# EAGLE board working (EAGLE 9.5.2), part 1 of 4 (continued)
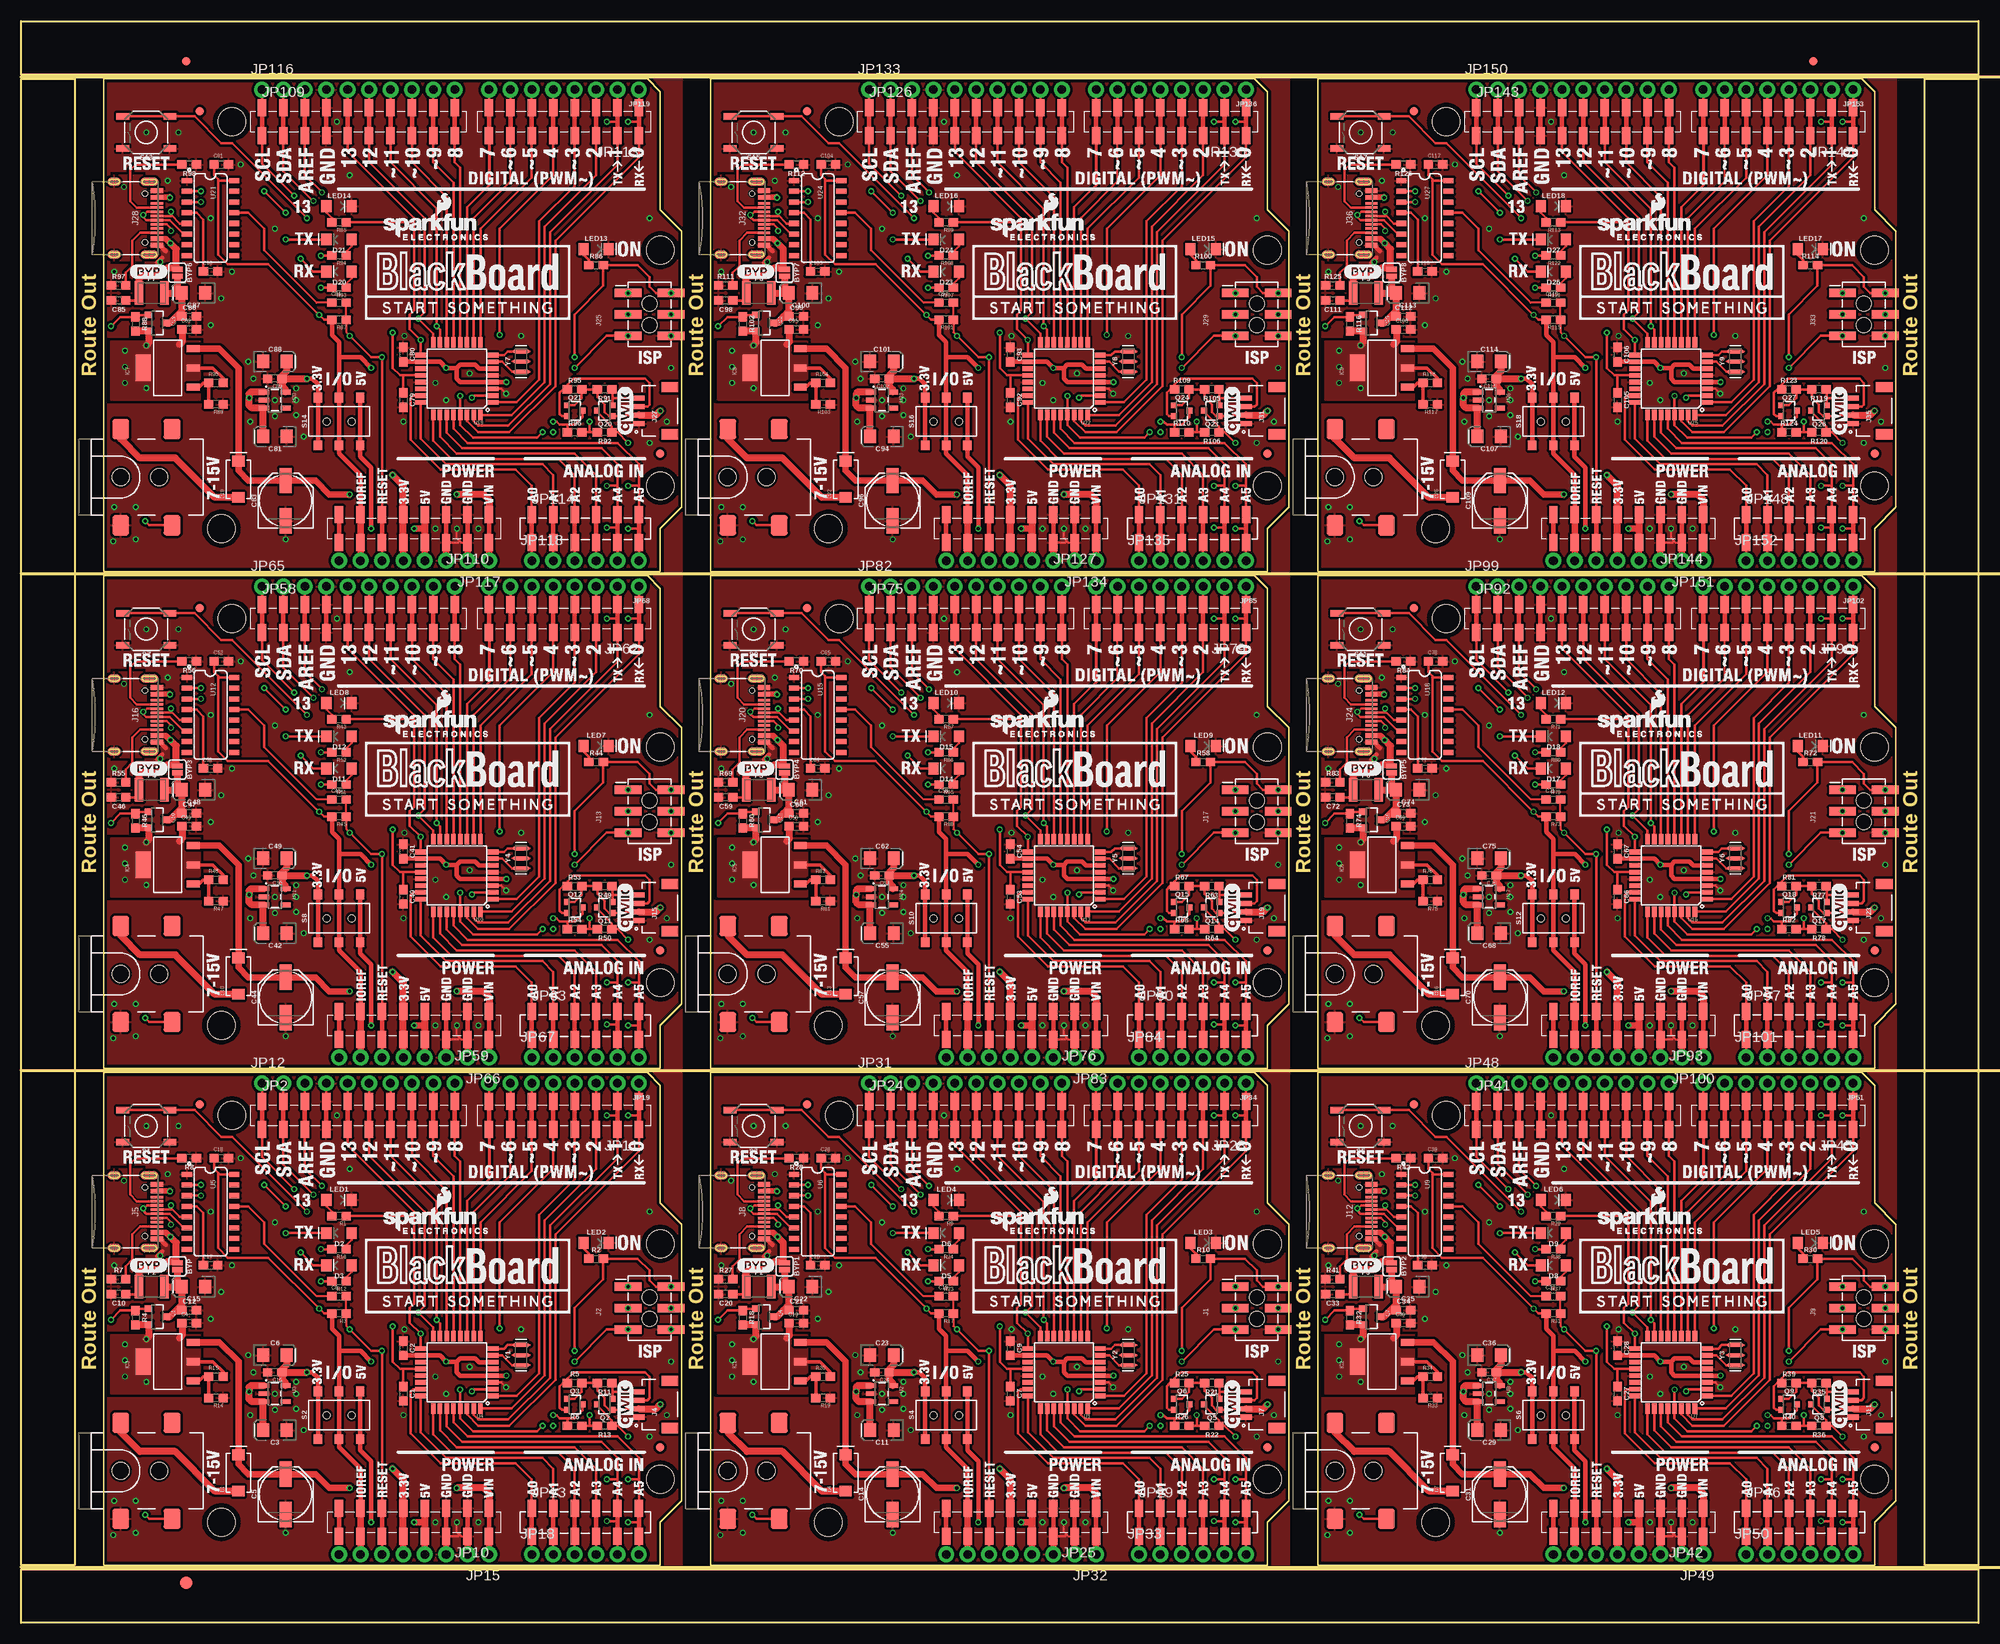
[diagram p0: board, top side]
## Placement (x,y rotation side) (continued)
JP31  M10NO_SILK  [1X10_NO_SILK]  100.58,64.01 0 top
JP32  [1X08_NO_SILK@1]  127.51,8.13 180 top
JP33  [1X06_NO_SILK@1]  132.59,8.13 0 top
JP34  [1X08_NO_SILK]  145.29,64.01 180 top
JP35  STAND-OFF  [STAND-OFF]  167.77,11.94 0 top
JP36  STAND-OFF  [STAND-OFF]  219.84,17.02 0 top
JP37  STAND-OFF  [STAND-OFF]  219.84,44.96 0 top
JP38  STAND-OFF  [STAND-OFF]  169.04,60.2 0 top
JP39  FIDUCIAL1X2  [FIDUCIAL-1X2]  219.84,20.83 0 top
JP40  FIDUCIAL1X2  [FIDUCIAL-1X2]  165.23,61.47 0 top
JP41  M10SMD_COMBO  [1X10_SMD_COMBINED]  172.59,60.2 0 top
JP42  [1X08_SMD_COMBINED@1]  199.52,11.94 180 top
JP43  SFE_LOGO_NAME.1_INCH  [SFE_LOGO_NAME_.1]  192.53,47.88 0 top
JP44  SFE_LOGO_FLAME.1_INCH  [SFE_LOGO_FLAME_.1]  194.18,50.42 0 top
JP45  JP11  [1X08_SMD_COMBINED@1]  217.3,60.2 180 top
JP46  [1X06_SMD_STRAIGHT_COMBO]  204.6,11.94 0 top
JP47  USB_SOLDER_PADS  [USB-SOLDER-PADS]  155.7,48.77 0 bottom
JP48  M10NO_SILK  [1X10_NO_SILK]  172.59,64.01 0 top
JP49  [1X08_NO_SILK@1]  199.52,8.13 180 top
JP50  [1X06_NO_SILK@1]  204.6,8.13 0 top
JP51  [1X08_NO_SILK]  217.3,64.01 180 top
JP52  STAND-OFF  [STAND-OFF]  23.75,70.87 0 top
JP53  STAND-OFF  [STAND-OFF]  75.82,75.95 0 top
JP54  STAND-OFF  [STAND-OFF]  75.82,103.89 0 top
JP55  STAND-OFF  [STAND-OFF]  25.02,119.13 0 top
JP56  FIDUCIAL1X2  [FIDUCIAL-1X2]  75.82,79.76 0 top
JP57  FIDUCIAL1X2  [FIDUCIAL-1X2]  21.21,120.4 0 top
JP58  M10SMD_COMBO  [1X10_SMD_COMBINED]  28.57,119.13 0 top
JP59  [1X08_SMD_COMBINED@1]  55.5,70.87 180 top
JP60  SFE_LOGO_NAME.1_INCH  [SFE_LOGO_NAME_.1]  48.51,106.81 0 top
JP61  SFE_LOGO_FLAME.1_INCH  [SFE_LOGO_FLAME_.1]  50.17,109.35 0 top
JP62  JP11  [1X08_SMD_COMBINED@1]  73.28,119.13 180 top
JP63  [1X06_SMD_STRAIGHT_COMBO]  60.58,70.87 0 top
JP64  USB_SOLDER_PADS  [USB-SOLDER-PADS]  11.68,107.7 0 bottom
JP65  M10NO_SILK  [1X10_NO_SILK]  28.57,122.94 0 top
JP66  [1X08_NO_SILK@1]  55.5,67.06 180 top
JP67  [1X06_NO_SILK@1]  60.58,67.06 0 top
JP68  [1X08_NO_SILK]  73.28,122.94 180 top
JP69  STAND-OFF  [STAND-OFF]  95.76,70.87 0 top
JP70  STAND-OFF  [STAND-OFF]  147.83,75.95 0 top
JP71  STAND-OFF  [STAND-OFF]  147.83,103.89 0 top
JP72  STAND-OFF  [STAND-OFF]  97.03,119.13 0 top
JP73  FIDUCIAL1X2  [FIDUCIAL-1X2]  147.83,79.76 0 top
JP74  FIDUCIAL1X2  [FIDUCIAL-1X2]  93.22,120.4 0 top
JP75  M10SMD_COMBO  [1X10_SMD_COMBINED]  100.58,119.13 0 top
JP76  [1X08_SMD_COMBINED@1]  127.51,70.87 180 top
JP77  SFE_LOGO_NAME.1_INCH  [SFE_LOGO_NAME_.1]  120.52,106.81 0 top
JP78  SFE_LOGO_FLAME.1_INCH  [SFE_LOGO_FLAME_.1]  122.17,109.35 0 top
JP79  JP11  [1X08_SMD_COMBINED@1]  145.29,119.13 180 top
JP80  [1X06_SMD_STRAIGHT_COMBO]  132.59,70.87 0 top
JP81  USB_SOLDER_PADS  [USB-SOLDER-PADS]  83.69,107.7 0 bottom
JP82  M10NO_SILK  [1X10_NO_SILK]  100.58,122.94 0 top
JP83  [1X08_NO_SILK@1]  127.51,67.06 180 top
JP84  [1X06_NO_SILK@1]  132.59,67.06 0 top
JP85  [1X08_NO_SILK]  145.29,122.94 180 top
JP86  STAND-OFF  [STAND-OFF]  167.77,70.87 0 top
JP87  STAND-OFF  [STAND-OFF]  219.84,75.95 0 top
JP88  STAND-OFF  [STAND-OFF]  219.84,103.89 0 top
JP89  STAND-OFF  [STAND-OFF]  169.04,119.13 0 top
JP90  FIDUCIAL1X2  [FIDUCIAL-1X2]  219.84,79.76 0 top
JP91  FIDUCIAL1X2  [FIDUCIAL-1X2]  165.23,120.4 0 top
JP92  M10SMD_COMBO  [1X10_SMD_COMBINED]  172.59,119.13 0 top
JP93  [1X08_SMD_COMBINED@1]  199.52,70.87 180 top
JP94  SFE_LOGO_NAME.1_INCH  [SFE_LOGO_NAME_.1]  192.53,106.81 0 top
JP95  SFE_LOGO_FLAME.1_INCH  [SFE_LOGO_FLAME_.1]  194.18,109.35 0 top
JP96  JP11  [1X08_SMD_COMBINED@1]  217.3,119.13 180 top
JP97  [1X06_SMD_STRAIGHT_COMBO]  204.6,70.87 0 top
JP98  USB_SOLDER_PADS  [USB-SOLDER-PADS]  155.7,107.7 0 bottom
JP99  M10NO_SILK  [1X10_NO_SILK]  172.59,122.94 0 top
JP100  [1X08_NO_SILK@1]  199.52,67.06 180 top
JP101  [1X06_NO_SILK@1]  204.6,67.06 0 top
JP102  [1X08_NO_SILK]  217.3,122.94 180 top
JP103  STAND-OFF  [STAND-OFF]  23.75,129.79 0 top
JP104  STAND-OFF  [STAND-OFF]  75.82,134.87 0 top
JP105  STAND-OFF  [STAND-OFF]  75.82,162.81 0 top
JP106  STAND-OFF  [STAND-OFF]  25.02,178.05 0 top
JP107  FIDUCIAL1X2  [FIDUCIAL-1X2]  75.82,138.68 0 top
JP108  FIDUCIAL1X2  [FIDUCIAL-1X2]  21.21,179.32 0 top
JP109  M10SMD_COMBO  [1X10_SMD_COMBINED]  28.57,178.05 0 top
JP110  [1X08_SMD_COMBINED@1]  55.5,129.79 180 top
JP111  SFE_LOGO_NAME.1_INCH  [SFE_LOGO_NAME_.1]  48.51,165.74 0 top
JP112  SFE_LOGO_FLAME.1_INCH  [SFE_LOGO_FLAME_.1]  50.17,168.28 0 top
JP113  JP11  [1X08_SMD_COMBINED@1]  73.28,178.05 180 top
JP114  [1X06_SMD_STRAIGHT_COMBO]  60.58,129.79 0 top
JP115  USB_SOLDER_PADS  [USB-SOLDER-PADS]  11.68,166.62 0 bottom
JP116  M10NO_SILK  [1X10_NO_SILK]  28.57,181.86 0 top
JP117  [1X08_NO_SILK@1]  55.5,125.98 180 top
JP118  [1X06_NO_SILK@1]  60.58,125.98 0 top
JP119  [1X08_NO_SILK]  73.28,181.86 180 top
JP120  STAND-OFF  [STAND-OFF]  95.76,129.79 0 top
JP121  STAND-OFF  [STAND-OFF]  147.83,134.87 0 top
JP122  STAND-OFF  [STAND-OFF]  147.83,162.81 0 top
JP123  STAND-OFF  [STAND-OFF]  97.03,178.05 0 top
JP124  FIDUCIAL1X2  [FIDUCIAL-1X2]  147.83,138.68 0 top
JP125  FIDUCIAL1X2  [FIDUCIAL-1X2]  93.22,179.32 0 top
JP126  M10SMD_COMBO  [1X10_SMD_COMBINED]  100.58,178.05 0 top
JP127  [1X08_SMD_COMBINED@1]  127.51,129.79 180 top
JP128  SFE_LOGO_NAME.1_INCH  [SFE_LOGO_NAME_.1]  120.52,165.74 0 top
JP129  SFE_LOGO_FLAME.1_INCH  [SFE_LOGO_FLAME_.1]  122.17,168.28 0 top
JP130  JP11  [1X08_SMD_COMBINED@1]  145.29,178.05 180 top
JP131  [1X06_SMD_STRAIGHT_COMBO]  132.59,129.79 0 top
JP132  USB_SOLDER_PADS  [USB-SOLDER-PADS]  83.69,166.62 0 bottom
JP133  M10NO_SILK  [1X10_NO_SILK]  100.58,181.86 0 top
JP134  [1X08_NO_SILK@1]  127.51,125.98 180 top
JP135  [1X06_NO_SILK@1]  132.59,125.98 0 top
JP136  [1X08_NO_SILK]  145.29,181.86 180 top
JP137  STAND-OFF  [STAND-OFF]  167.77,129.79 0 top
JP138  STAND-OFF  [STAND-OFF]  219.84,134.87 0 top
JP139  STAND-OFF  [STAND-OFF]  219.84,162.81 0 top
JP140  STAND-OFF  [STAND-OFF]  169.04,178.05 0 top
JP141  FIDUCIAL1X2  [FIDUCIAL-1X2]  219.84,138.68 0 top
JP142  FIDUCIAL1X2  [FIDUCIAL-1X2]  165.23,179.32 0 top
JP143  M10SMD_COMBO  [1X10_SMD_COMBINED]  172.59,178.05 0 top
JP144  [1X08_SMD_COMBINED@1]  199.52,129.79 180 top
JP145  SFE_LOGO_NAME.1_INCH  [SFE_LOGO_NAME_.1]  192.53,165.74 0 top
JP146  SFE_LOGO_FLAME.1_INCH  [SFE_LOGO_FLAME_.1]  194.18,168.28 0 top
JP147  JP11  [1X08_SMD_COMBINED@1]  217.3,178.05 180 top
JP148  [1X06_SMD_STRAIGHT_COMBO]  204.6,129.79 0 top
JP149  USB_SOLDER_PADS  [USB-SOLDER-PADS]  155.7,166.62 0 bottom
JP150  M10NO_SILK  [1X10_NO_SILK]  172.59,181.86 0 top
JP151  [1X08_NO_SILK@1]  199.52,125.98 180 top
JP152  [1X06_NO_SILK@1]  204.6,125.98 0 top
JP153  [1X08_NO_SILK]  217.3,181.86 180 top
LED1  Blue  [LED-1206-HIDDENSILK]  37.72,50.16 0 top
LED2  GREEN  [LED-1206]  68.2,45.08 0 top
LED3  GREEN  [LED-1206]  140.21,45.08 0 top
LED4  Blue  [LED-1206-HIDDENSILK]  109.73,50.16 0 top
LED5  GREEN  [LED-1206]  212.22,45.08 0 top
LED6  Blue  [LED-1206-HIDDENSILK]  181.74,50.16 0 top
LED7  GREEN  [LED-1206]  68.2,104.01 0 top
LED8  Blue  [LED-1206-HIDDENSILK]  37.72,109.09 0 top
LED9  GREEN  [LED-1206]  140.21,104.01 0 top
LED10  Blue  [LED-1206-HIDDENSILK]  109.73,109.09 0 top
LED11  GREEN  [LED-1206]  212.22,104.01 0 top
LED12  Blue  [LED-1206-HIDDENSILK]  181.74,109.09 0 top
LED13  GREEN  [LED-1206]  68.2,162.94 0 top
LED14  Blue  [LED-1206-HIDDENSILK]  37.72,168.02 0 top
LED15  GREEN  [LED-1206]  140.21,162.94 0 top
LED16  Blue  [LED-1206-HIDDENSILK]  109.73,168.02 0 top
LED17  GREEN  [LED-1206]  212.22,162.94 0 top
LED18  Blue  [LED-1206-HIDDENSILK]  181.74,168.02 0 top
Q1  1.1A/60V/600mΩ  [SOT23-3]  16.13,36.32 270 top
Q2  310mA/60V/1.6Ω  [SOT323]  69.22,25.91 90 top
Q3  310mA/60V/1.6Ω  [SOT323]  65.66,25.91 270 top
Q4  1.1A/60V/600mΩ  [SOT23-3]  88.14,36.32 270 top
Q5  310mA/60V/1.6Ω  [SOT323]  141.22,25.91 90 top
Q6  310mA/60V/1.6Ω  [SOT323]  137.67,25.91 270 top
Q7  1.1A/60V/600mΩ  [SOT23-3]  160.15,36.32 270 top
Q8  310mA/60V/1.6Ω  [SOT323]  213.23,25.91 90 top
Q9  310mA/60V/1.6Ω  [SOT323]  209.68,25.91 270 top
Q10  1.1A/60V/600mΩ  [SOT23-3]  16.13,95.25 270 top
Q11  310mA/60V/1.6Ω  [SOT323]  69.22,84.84 90 top
Q12  310mA/60V/1.6Ω  [SOT323]  65.66,84.84 270 top
Q13  1.1A/60V/600mΩ  [SOT23-3]  88.14,95.25 270 top
Q14  310mA/60V/1.6Ω  [SOT323]  141.22,84.84 90 top
Q15  310mA/60V/1.6Ω  [SOT323]  137.67,84.84 270 top
Q16  1.1A/60V/600mΩ  [SOT23-3]  160.15,95.25 270 top
Q17  310mA/60V/1.6Ω  [SOT323]  213.23,84.84 90 top
Q18  310mA/60V/1.6Ω  [SOT323]  209.68,84.84 270 top
Q19  1.1A/60V/600mΩ  [SOT23-3]  16.13,154.18 270 top
Q20  310mA/60V/1.6Ω  [SOT323]  69.22,143.76 90 top
Q21  310mA/60V/1.6Ω  [SOT323]  65.66,143.76 270 top
Q22  1.1A/60V/600mΩ  [SOT23-3]  88.14,154.18 270 top
Q23  310mA/60V/1.6Ω  [SOT323]  141.22,143.76 90 top
Q24  310mA/60V/1.6Ω  [SOT323]  137.67,143.76 270 top
Q25  1.1A/60V/600mΩ  [SOT23-3]  160.15,154.18 270 top
Q26  310mA/60V/1.6Ω  [SOT323]  213.23,143.76 90 top
Q27  310mA/60V/1.6Ω  [SOT323]  209.68,143.76 270 top
QW1  JUMPER-SMT_2_NC_TRACE_SILK  [SMT-JUMPER_2_NC_TRACE_SILK]  70.74,19.56 0 bottom
QW2  JUMPER-SMT_2_NC_TRACE_SILK  [SMT-JUMPER_2_NC_TRACE_SILK]  66.93,19.56 0 bottom
QW3  JUMPER-SMT_2_NC_TRACE_SILK  [SMT-JUMPER_2_NC_TRACE_SILK]  138.94,19.56 0 bottom
QW4  JUMPER-SMT_2_NC_TRACE_SILK  [SMT-JUMPER_2_NC_TRACE_SILK]  142.75,19.56 0 bottom
QW5  JUMPER-SMT_2_NC_TRACE_SILK  [SMT-JUMPER_2_NC_TRACE_SILK]  210.95,19.56 0 bottom
QW6  JUMPER-SMT_2_NC_TRACE_SILK  [SMT-JUMPER_2_NC_TRACE_SILK]  214.76,19.56 0 bottom
QW7  JUMPER-SMT_2_NC_TRACE_SILK  [SMT-JUMPER_2_NC_TRACE_SILK]  66.93,78.49 0 bottom
QW8  JUMPER-SMT_2_NC_TRACE_SILK  [SMT-JUMPER_2_NC_TRACE_SILK]  70.74,78.49 0 bottom
QW9  JUMPER-SMT_2_NC_TRACE_SILK  [SMT-JUMPER_2_NC_TRACE_SILK]  138.94,78.49 0 bottom
QW10  JUMPER-SMT_2_NC_TRACE_SILK  [SMT-JUMPER_2_NC_TRACE_SILK]  142.75,78.49 0 bottom
QW11  JUMPER-SMT_2_NC_TRACE_SILK  [SMT-JUMPER_2_NC_TRACE_SILK]  210.95,78.49 0 bottom
QW12  JUMPER-SMT_2_NC_TRACE_SILK  [SMT-JUMPER_2_NC_TRACE_SILK]  214.76,78.49 0 bottom
QW13  JUMPER-SMT_2_NC_TRACE_SILK  [SMT-JUMPER_2_NC_TRACE_SILK]  66.93,137.41 0 bottom
QW14  JUMPER-SMT_2_NC_TRACE_SILK  [SMT-JUMPER_2_NC_TRACE_SILK]  70.74,137.41 0 bottom
QW15  JUMPER-SMT_2_NC_TRACE_SILK  [SMT-JUMPER_2_NC_TRACE_SILK]  138.94,137.41 0 bottom
QW16  JUMPER-SMT_2_NC_TRACE_SILK  [SMT-JUMPER_2_NC_TRACE_SILK]  142.75,137.41 0 bottom
QW17  JUMPER-SMT_2_NC_TRACE_SILK  [SMT-JUMPER_2_NC_TRACE_SILK]  210.95,137.41 0 bottom
QW18  JUMPER-SMT_2_NC_TRACE_SILK  [SMT-JUMPER_2_NC_TRACE_SILK]  214.76,137.41 0 bottom
R1  4.7k  [0603]  37.72,48.26 180 top
R2  10k  [0603]  68.2,43.18 0 top
R3  10k  [0603]  37.72,36.7 180 top
R4  10k  [0603]  13.59,36.2 270 top
R5  2.2k  [0603]  65.66,28.45 0 top
R6  2.2k  [0603]  65.66,23.37 0 top
R7  5.1k  [0603]  11.56,40.77 0 top
R8  5.1k  [0603]  19.94,55.12 180 top
R9  4.7k  [0603]  109.73,48.26 180 top
R10  10k  [0603]  140.21,43.18 0 top
R11  2.2k  [0603]  69.22,28.45 180 top
R12  4.7k  [0603]  37.72,40.51 180 top
R13  2.2k  [0603]  69.22,23.37 180 top
R14  715  [0603]  23.11,26.67 180 top
R15  240  [0603]  23.11,29.21 0 top
R16  4.7k  [0603]  37.72,44.32 180 top
R17  10k  [0603]  109.73,36.7 180 top
R18  10k  [0603]  85.6,36.2 270 top
R19  715  [0603]  95.12,26.67 180 top
R20  240  [0603]  95.12,29.21 0 top
R21  2.2k  [0603]  141.22,28.45 180 top
R22  2.2k  [0603]  141.22,23.37 180 top
R23  4.7k  [0603]  109.73,40.51 180 top
R24  4.7k  [0603]  109.73,44.32 180 top
R25  2.2k  [0603]  137.67,28.45 0 top
R26  2.2k  [0603]  137.67,23.37 0 top
R27  5.1k  [0603]  83.57,40.77 0 top
R28  5.1k  [0603]  91.95,55.12 180 top
R29  4.7k  [0603]  181.74,48.26 180 top
R30  10k  [0603]  212.22,43.18 0 top
R31  10k  [0603]  181.74,36.7 180 top
R32  10k  [0603]  157.61,36.2 270 top
R33  715  [0603]  167.13,26.67 180 top
R34  240  [0603]  167.13,29.21 0 top
R35  2.2k  [0603]  213.23,28.45 180 top
R36  2.2k  [0603]  213.23,23.37 180 top
R37  4.7k  [0603]  181.74,40.51 180 top
R38  4.7k  [0603]  181.74,44.32 180 top
R39  2.2k  [0603]  209.68,28.45 0 top
R40  2.2k  [0603]  209.68,23.37 0 top
R41  5.1k  [0603]  155.57,40.77 0 top
R42  5.1k  [0603]  163.96,55.12 180 top
R43  4.7k  [0603]  37.72,107.19 180 top
R44  10k  [0603]  68.2,102.11 0 top
R45  10k  [0603]  37.72,95.63 180 top
R46  10k  [0603]  13.59,95.12 270 top
R47  715  [0603]  23.11,85.6 180 top
R48  240  [0603]  23.11,88.14 0 top
R49  2.2k  [0603]  69.22,87.38 180 top
R50  2.2k  [0603]  69.22,82.3 180 top
R51  4.7k  [0603]  37.72,99.44 180 top
R52  4.7k  [0603]  37.72,103.25 180 top
R53  2.2k  [0603]  65.66,87.38 0 top
R54  2.2k  [0603]  65.66,82.3 0 top
R55  5.1k  [0603]  11.56,99.7 0 top
R56  5.1k  [0603]  19.94,114.05 180 top
R57  4.7k  [0603]  109.73,107.19 180 top
R58  10k  [0603]  140.21,102.11 0 top
R59  10k  [0603]  109.73,95.63 180 top
R60  10k  [0603]  85.6,95.12 270 top
R61  715  [0603]  95.12,85.6 180 top
R62  240  [0603]  95.12,88.14 0 top
R63  2.2k  [0603]  141.22,87.38 180 top
R64  2.2k  [0603]  141.22,82.3 180 top
R65  4.7k  [0603]  109.73,99.44 180 top
R66  4.7k  [0603]  109.73,103.25 180 top
R67  2.2k  [0603]  137.67,87.38 0 top
R68  2.2k  [0603]  137.67,82.3 0 top
R69  5.1k  [0603]  83.57,99.7 0 top
R70  5.1k  [0603]  91.95,114.05 180 top
R71  4.7k  [0603]  181.74,107.19 180 top
R72  10k  [0603]  212.22,102.11 0 top
R73  10k  [0603]  181.74,95.63 180 top
R74  10k  [0603]  157.61,95.12 270 top
R75  715  [0603]  167.13,85.6 180 top
R76  240  [0603]  167.13,88.14 0 top
R77  2.2k  [0603]  213.23,87.38 180 top
R78  2.2k  [0603]  213.23,82.3 180 top
R79  4.7k  [0603]  181.74,99.44 180 top
R80  4.7k  [0603]  181.74,103.25 180 top
R81  2.2k  [0603]  209.68,87.38 0 top
R82  2.2k  [0603]  209.68,82.3 0 top
R83  5.1k  [0603]  155.57,99.7 0 top
R84  5.1k  [0603]  163.96,114.05 180 top
R85  4.7k  [0603]  37.72,166.12 180 top
R86  10k  [0603]  68.2,161.04 0 top
R87  10k  [0603]  37.72,154.56 180 top
R88  10k  [0603]  13.59,154.05 270 top
R89  715  [0603]  23.11,144.53 180 top
R90  240  [0603]  23.11,147.07 0 top
R91  2.2k  [0603]  69.22,146.3 180 top
R92  2.2k  [0603]  69.22,141.22 180 top
R93  4.7k  [0603]  37.72,158.37 180 top
R94  4.7k  [0603]  37.72,162.18 180 top
R95  2.2k  [0603]  65.66,146.3 0 top
R96  2.2k  [0603]  65.66,141.22 0 top
R97  5.1k  [0603]  11.56,158.62 0 top
R98  5.1k  [0603]  19.94,172.97 180 top
R99  4.7k  [0603]  109.73,166.12 180 top
R100  10k  [0603]  140.21,161.04 0 top
R101  10k  [0603]  109.73,154.56 180 top
R102  10k  [0603]  85.6,154.05 270 top
R103  715  [0603]  95.12,144.53 180 top
R104  240  [0603]  95.12,147.07 0 top
R105  2.2k  [0603]  141.22,146.3 180 top
R106  2.2k  [0603]  141.22,141.22 180 top
R107  4.7k  [0603]  109.73,158.37 180 top
R108  4.7k  [0603]  109.73,162.18 180 top
R109  2.2k  [0603]  137.67,146.3 0 top
R110  2.2k  [0603]  137.67,141.22 0 top
R111  5.1k  [0603]  83.57,158.62 0 top
R112  5.1k  [0603]  91.95,172.97 180 top
R113  4.7k  [0603]  181.74,166.12 180 top
R114  10k  [0603]  212.22,161.04 0 top
R115  10k  [0603]  181.74,154.56 180 top
R116  10k  [0603]  157.61,154.05 270 top
R117  715  [0603]  167.13,144.53 180 top
R118  240  [0603]  167.13,147.07 0 top
R119  2.2k  [0603]  213.23,146.3 180 top
R120  2.2k  [0603]  213.23,141.22 180 top
R121  4.7k  [0603]  181.74,158.37 180 top
R122  4.7k  [0603]  181.74,162.18 180 top
R123  2.2k  [0603]  209.68,146.3 0 top
R124  2.2k  [0603]  209.68,141.22 0 top
R125  5.1k  [0603]  155.57,158.62 0 top
R126  5.1k  [0603]  163.96,172.97 180 top
S1  Tall Switch  [TACTILE_SWITCH_SMD_5.2MM]  14.86,58.93 180 top
S2  [SWITCH_DPDT_SMD_AYZ0202]  37.72,24.64 0 top
S3  Tall Switch  [TACTILE_SWITCH_SMD_5.2MM]  86.87,58.93 180 top
S4  [SWITCH_DPDT_SMD_AYZ0202]  109.73,24.64 0 top
S5  Tall Switch  [TACTILE_SWITCH_SMD_5.2MM]  158.88,58.93 180 top
S6  [SWITCH_DPDT_SMD_AYZ0202]  181.74,24.64 0 top
S7  Tall Switch  [TACTILE_SWITCH_SMD_5.2MM]  14.86,117.86 180 top
S8  [SWITCH_DPDT_SMD_AYZ0202]  37.72,83.57 0 top
S9  Tall Switch  [TACTILE_SWITCH_SMD_5.2MM]  86.87,117.86 180 top
S10  [SWITCH_DPDT_SMD_AYZ0202]  109.73,83.57 0 top
S11  Tall Switch  [TACTILE_SWITCH_SMD_5.2MM]  158.88,117.86 180 top
S12  [SWITCH_DPDT_SMD_AYZ0202]  181.74,83.57 0 top
S13  Tall Switch  [TACTILE_SWITCH_SMD_5.2MM]  14.86,176.78 180 top
S14  [SWITCH_DPDT_SMD_AYZ0202]  37.72,142.49 0 top
S15  Tall Switch  [TACTILE_SWITCH_SMD_5.2MM]  86.87,176.78 180 top
S16  [SWITCH_DPDT_SMD_AYZ0202]  109.73,142.49 0 top
S17  Tall Switch  [TACTILE_SWITCH_SMD_5.2MM]  158.88,176.78 180 top
S18  [SWITCH_DPDT_SMD_AYZ0202]  181.74,142.49 0 top
TP1  TP-3x5  [PAD.03X.05]  75.82,39.88 0 bottom
TP2  TP-3x5  [PAD.03X.05]  75.82,37.34 0 bottom
TP3  TP-3x5  [PAD.03X.05]  75.82,34.8 0 bottom
TP4  TP-3x5  [PAD.03X.05]  73.28,39.88 0 bottom
TP5  TP-3x5  [PAD.03X.05]  73.28,37.34 0 bottom
TP6  TP-3x5  [PAD.03X.05]  73.28,34.8 0 bottom
TP7  TP-3x5  [PAD.03X.05]  147.83,39.88 0 bottom
TP8  TP-3x5  [PAD.03X.05]  147.83,37.34 0 bottom
TP9  TP-3x5  [PAD.03X.05]  147.83,34.8 0 bottom
TP10  TP-3x5  [PAD.03X.05]  145.29,39.88 0 bottom
TP11  TP-3x5  [PAD.03X.05]  145.29,37.34 0 bottom
TP12  TP-3x5  [PAD.03X.05]  145.29,34.8 0 bottom
TP13  TP-3x5  [PAD.03X.05]  219.84,39.88 0 bottom
TP14  TP-3x5  [PAD.03X.05]  219.84,37.34 0 bottom
TP15  TP-3x5  [PAD.03X.05]  219.84,34.8 0 bottom
TP16  TP-3x5  [PAD.03X.05]  217.3,39.88 0 bottom
TP17  TP-3x5  [PAD.03X.05]  217.3,37.34 0 bottom
TP18  TP-3x5  [PAD.03X.05]  217.3,34.8 0 bottom
TP19  TP-3x5  [PAD.03X.05]  75.82,98.81 0 bottom
TP20  TP-3x5  [PAD.03X.05]  75.82,96.27 0 bottom
TP21  TP-3x5  [PAD.03X.05]  75.82,93.73 0 bottom
TP22  TP-3x5  [PAD.03X.05]  73.28,98.81 0 bottom
TP23  TP-3x5  [PAD.03X.05]  73.28,96.27 0 bottom
TP24  TP-3x5  [PAD.03X.05]  73.28,93.73 0 bottom
TP25  TP-3x5  [PAD.03X.05]  147.83,98.81 0 bottom
TP26  TP-3x5  [PAD.03X.05]  147.83,96.27 0 bottom
TP27  TP-3x5  [PAD.03X.05]  147.83,93.73 0 bottom
TP28  TP-3x5  [PAD.03X.05]  145.29,98.81 0 bottom
TP29  TP-3x5  [PAD.03X.05]  145.29,96.27 0 bottom
TP30  TP-3x5  [PAD.03X.05]  145.29,93.73 0 bottom
TP31  TP-3x5  [PAD.03X.05]  219.84,98.81 0 bottom
TP32  TP-3x5  [PAD.03X.05]  219.84,96.27 0 bottom
TP33  TP-3x5  [PAD.03X.05]  219.84,93.73 0 bottom
TP34  TP-3x5  [PAD.03X.05]  217.3,98.81 0 bottom
TP35  TP-3x5  [PAD.03X.05]  217.3,96.27 0 bottom
TP36  TP-3x5  [PAD.03X.05]  217.3,93.73 0 bottom
TP37  TP-3x5  [PAD.03X.05]  75.82,157.73 0 bottom
TP38  TP-3x5  [PAD.03X.05]  75.82,155.19 0 bottom
TP39  TP-3x5  [PAD.03X.05]  75.82,152.65 0 bottom
TP40  TP-3x5  [PAD.03X.05]  73.28,157.73 0 bottom
TP41  TP-3x5  [PAD.03X.05]  73.28,155.19 0 bottom
TP42  TP-3x5  [PAD.03X.05]  73.28,152.65 0 bottom
TP43  TP-3x5  [PAD.03X.05]  147.83,157.73 0 bottom
TP44  TP-3x5  [PAD.03X.05]  147.83,155.19 0 bottom
TP45  TP-3x5  [PAD.03X.05]  147.83,152.65 0 bottom
TP46  TP-3x5  [PAD.03X.05]  145.29,157.73 0 bottom
TP47  TP-3x5  [PAD.03X.05]  145.29,155.19 0 bottom
TP48  TP-3x5  [PAD.03X.05]  145.29,152.65 0 bottom
TP49  TP-3x5  [PAD.03X.05]  219.84,157.73 0 bottom
TP50  TP-3x5  [PAD.03X.05]  219.84,155.19 0 bottom
TP51  TP-3x5  [PAD.03X.05]  219.84,152.65 0 bottom
TP52  TP-3x5  [PAD.03X.05]  217.3,157.73 0 bottom
TP53  TP-3x5  [PAD.03X.05]  217.3,155.19 0 bottom
TP54  TP-3x5  [PAD.03X.05]  217.3,152.65 0 bottom
U1  ATMEGA328P_TQFP  [TQFP32-08]  123.7,29.72 180 top
U2  AP2112-3.3V  [SOT23-5]  102.11,27.18 270 top
U3  AP2112-3.3V  [SOT23-5]  30.1,27.18 270 top
U4  ATMEGA328P_TQFP  [TQFP32-08]  51.69,29.72 180 top
U5  CH340C  [SO016]  22.48,48.77 270 top
U6  CH340C  [SO016]  94.49,48.77 270 top
U7  ATMEGA328P_TQFP  [TQFP32-08]  195.71,29.72 180 top
U8  AP2112-3.3V  [SOT23-5]  174.12,27.18 270 top
U9  CH340C  [SO016]  166.5,48.77 270 top
U10  ATMEGA328P_TQFP  [TQFP32-08]  51.69,88.65 180 top
U11  AP2112-3.3V  [SOT23-5]  30.1,86.11 270 top
U12  CH340C  [SO016]  22.48,107.7 270 top
U13  ATMEGA328P_TQFP  [TQFP32-08]  123.7,88.65 180 top
U14  AP2112-3.3V  [SOT23-5]  102.11,86.11 270 top
U15  CH340C  [SO016]  94.49,107.7 270 top
U16  ATMEGA328P_TQFP  [TQFP32-08]  195.71,88.65 180 top
U17  AP2112-3.3V  [SOT23-5]  174.12,86.11 270 top
U18  CH340C  [SO016]  166.5,107.7 270 top
U19  ATMEGA328P_TQFP  [TQFP32-08]  51.69,147.57 180 top
U20  AP2112-3.3V  [SOT23-5]  30.1,145.03 270 top
U21  CH340C  [SO016]  22.48,166.62 270 top
U22  ATMEGA328P_TQFP  [TQFP32-08]  123.7,147.57 180 top
U23  AP2112-3.3V  [SOT23-5]  102.11,145.03 270 top
U24  CH340C  [SO016]  94.49,166.62 270 top
U25  ATMEGA328P_TQFP  [TQFP32-08]  195.71,147.57 180 top
U26  AP2112-3.3V  [SOT23-5]  174.12,145.03 270 top
U27  CH340C  [SO016]  166.5,166.62 270 top
U$1  [BLACKBOARDLOGO#PNG]  52.96,41.15 0 top
U$2  [D#3]  15.37,47.88 0 bottom
U$3  [BLACKBOARDLOGO#PNG]  60.58,53.85 0 bottom
U$4  [MADEINUSA#PNG]  69.22,46.99 0 bottom
U$5  OSHW-LOGOS  [OSHW-LOGO-S]  84.33,60.71 0 bottom
U$6  [BLACKBOARDLOGO#PNG]  124.97,41.15 0 top
U$7  [BLACKBOARDLOGO#PNG]  132.59,53.85 0 bottom
U$8  [MADEINUSA#PNG]  141.22,46.99 0 bottom
U$9  [QWIIC_COPYRIGHT_SMALL]  71.63,25.91 90 top
U$10  [D#4]  15.24,49.66 0 bottom
U$11  [G1]  15.24,46.1 0 bottom
U$12  [V0]  15.24,51.43 0 bottom
U$13  [QWIIC_COPYRIGHT_SMALL]  143.64,25.91 90 top
U$14  [G1]  87.25,46.1 0 bottom
U$15  [V0]  87.25,51.43 0 bottom
U$16  OSHW-LOGOS  [OSHW-LOGO-S]  12.32,60.71 0 bottom
U$17  [D#3]  87.38,47.88 0 bottom
U$18  [D#4]  87.25,49.66 0 bottom
U$19  [BYP0]  84.84,42.42 0 top
U$20  OSHW-LOGOS  [OSHW-LOGO-S]  156.34,60.71 0 bottom
U$21  [BLACKBOARDLOGO#PNG]  196.98,41.15 0 top
U$22  [BLACKBOARDLOGO#PNG]  204.6,53.85 0 bottom
U$23  [MADEINUSA#PNG]  213.23,46.99 0 bottom
U$24  [QWIIC_COPYRIGHT_SMALL]  215.65,25.91 90 top
U$25  [G1]  159.26,46.1 0 bottom
U$26  [V0]  159.26,51.43 0 bottom
U$27  [D#3]  159.38,47.88 0 bottom
U$28  [D#4]  159.26,49.66 0 bottom
U$29  [BYP0]  156.84,42.42 0 top
U$30  OSHW-LOGOS  [OSHW-LOGO-S]  12.32,119.63 0 bottom
U$31  [BLACKBOARDLOGO#PNG]  52.96,100.08 0 top
U$32  [BLACKBOARDLOGO#PNG]  60.58,112.78 0 bottom
U$33  [MADEINUSA#PNG]  69.22,105.92 0 bottom
U$34  [QWIIC_COPYRIGHT_SMALL]  71.63,84.84 90 top
U$35  [G1]  15.24,105.03 0 bottom
U$36  [V0]  15.24,110.36 0 bottom
U$37  [D#3]  15.37,106.81 0 bottom
U$38  [D#4]  15.24,108.59 0 bottom
U$39  [BYP0]  12.83,101.35 0 top
U$40  OSHW-LOGOS  [OSHW-LOGO-S]  84.33,119.63 0 bottom
U$41  [BLACKBOARDLOGO#PNG]  124.97,100.08 0 top
U$42  [BLACKBOARDLOGO#PNG]  132.59,112.78 0 bottom
U$43  [MADEINUSA#PNG]  141.22,105.92 0 bottom
U$44  [QWIIC_COPYRIGHT_SMALL]  143.64,84.84 90 top
U$45  [G1]  87.25,105.03 0 bottom
U$46  [V0]  87.25,110.36 0 bottom
U$47  [D#3]  87.38,106.81 0 bottom
U$48  [D#4]  87.25,108.59 0 bottom
U$49  [BYP0]  84.84,101.35 0 top
U$50  OSHW-LOGOS  [OSHW-LOGO-S]  156.34,119.63 0 bottom
U$51  [BLACKBOARDLOGO#PNG]  196.98,100.08 0 top
U$52  [BLACKBOARDLOGO#PNG]  204.6,112.78 0 bottom
U$53  [MADEINUSA#PNG]  213.23,105.92 0 bottom
U$54  [QWIIC_COPYRIGHT_SMALL]  215.65,84.84 90 top
U$55  [G1]  159.26,105.03 0 bottom
U$56  [V0]  159.26,110.36 0 bottom
U$57  [D#3]  159.38,106.81 0 bottom
U$58  [D#4]  159.26,108.59 0 bottom
U$59  [BYP0]  156.84,101.35 0 top
U$60  OSHW-LOGOS  [OSHW-LOGO-S]  12.32,178.56 0 bottom
U$61  [BLACKBOARDLOGO#PNG]  52.96,159 0 top
U$62  [BLACKBOARDLOGO#PNG]  60.58,171.7 0 bottom
U$63  [MADEINUSA#PNG]  69.22,164.85 0 bottom
U$64  [QWIIC_COPYRIGHT_SMALL]  71.63,143.76 90 top
U$65  [G1]  15.24,163.96 0 bottom
U$66  [V0]  15.24,169.29 0 bottom
U$67  [D#3]  15.37,165.74 0 bottom
U$68  [BYP0]  12.83,42.42 0 top
U$69  [D#4]  15.24,167.51 0 bottom
U$70  [BYP0]  12.83,160.27 0 top
U$71  OSHW-LOGOS  [OSHW-LOGO-S]  84.33,178.56 0 bottom
U$72  [BLACKBOARDLOGO#PNG]  124.97,159 0 top
U$73  [BLACKBOARDLOGO#PNG]  132.59,171.7 0 bottom
U$74  [MADEINUSA#PNG]  141.22,164.85 0 bottom
U$75  [QWIIC_COPYRIGHT_SMALL]  143.64,143.76 90 top
U$76  [G1]  87.25,163.96 0 bottom
U$77  [V0]  87.25,169.29 0 bottom
U$78  [D#3]  87.38,165.74 0 bottom
U$79  [D#4]  87.25,167.51 0 bottom
U$80  [BYP0]  84.84,160.27 0 top
U$81  OSHW-LOGOS  [OSHW-LOGO-S]  156.34,178.56 0 bottom
U$82  [BLACKBOARDLOGO#PNG]  196.98,159 0 top
U$83  [BLACKBOARDLOGO#PNG]  204.6,171.7 0 bottom
U$84  [MADEINUSA#PNG]  213.23,164.85 0 bottom
U$85  [QWIIC_COPYRIGHT_SMALL]  215.65,143.76 90 top
U$86  [G1]  159.26,163.96 0 bottom
U$87  [V0]  159.26,169.29 0 bottom
U$88  [D#3]  159.38,165.74 0 bottom
U$89  [D#4]  159.26,167.51 0 bottom
U$90  [BYP0]  156.84,160.27 0 top
Y1  16MHz  [RESONATOR-SMD-3.2X1.3]  59.31,31.75 90 top
Y2  16MHz  [RESONATOR-SMD-3.2X1.3]  131.32,31.75 90 top
Y3  16MHz  [RESONATOR-SMD-3.2X1.3]  203.33,31.75 90 top
Y4  16MHz  [RESONATOR-SMD-3.2X1.3]  59.31,90.68 90 top
Y5  16MHz  [RESONATOR-SMD-3.2X1.3]  131.32,90.68 90 top
Y6  16MHz  [RESONATOR-SMD-3.2X1.3]  203.33,90.68 90 top
Y7  16MHz  [RESONATOR-SMD-3.2X1.3]  59.31,149.61 90 top
Y8  16MHz  [RESONATOR-SMD-3.2X1.3]  131.32,149.61 90 top
Y9  16MHz  [RESONATOR-SMD-3.2X1.3]  203.33,149.61 90 top

## Library data of the parts
BYP BYP1-BYP8 QW1-QW18 = SparkFun-Jumpers
C1 C2 C4 C7-C10 C12 C13 C18-C21 C26-C28 C30 C32-C34 C39-C41 C43 C45-C47 C52-C54 C56 C58-C60 C65-C67 C69 C71-C73 C78-C80 C82 C84-C86 C91-C93 C95 C97-C99 C104-C106 C108 C110-C112 C117 = SparkFun-Capacitors; PROD_ID: CAP-00810
C3 C6 C11 C15 C22 C23 C29 C35 C36 C42 C48 C49 C55 C61 C62 C68 C74 C75 C81 C87 C88 C94 C100 C101 C107 C113 C114 = SparkFun-Capacitors; PROD_ID: CAP-00811
C5 C14 C31 C44 C57 C70 C83 C96 C109 = SparkFun-Capacitors; PROD_ID: CAP-08478
C16 C24 C37 C50 C63 C76 C89 C102 C115 = SparkFun-Capacitors; PROD_ID: CAP-00868
C17 C25 C38 C51 C64 C77 C90 C103 C116 = SparkFun-Capacitors; PROD_ID: CAP-00867
D1 D4 D7 D10 D13 D16 D19 D22 D25 = SparkFun-DiscreteSemi; PROD_ID: DIO-08053
D2 D6 D9 D12 D15 D18 D21 D24 D27 LED2 LED3 LED5 LED7 LED9 LED11 LED13 LED15 LED17 = SparkFun-LED; PROD_ID: DIO-09910
D3 D5 D8 D11 D14 D17 D20 D23 D26 = SparkFun-LED; PROD_ID: DIO-09909
E$1 E$2 JP1 JP7 JP26 JP27 JP43 JP44 JP60 JP61 JP77 JP78 JP94 JP95 JP111 JP112 JP128 JP129 JP145 JP146 U$5 U$16 U$20 U$30 U$40 U$50 U$60 U$71 U$81 = SparkFun-Aesthetics
E$3 = SparkFun-Retired
F1-F9 = SparkFun-Fuses; PROD_ID: RES-14313
IC1-IC9 = Testing; PROD_ID: VREG-08170
J1 J2 J9 J13 J17 J21 J25 J29 J33 JP14 JP30 JP47 JP64 JP81 JP98 JP115 JP132 JP149 TP1-TP4 TP6-TP10 TP12-TP16 TP18-TP22 TP24-TP28 TP30-TP34 TP36-TP40 TP42-TP46 TP48-TP52 TP54 = SparkFun-Connectors
J3 J6 J10 J14 J18 J22 J26 J30 J34 = Testing; PROD_ID: CONN-08106
J4 J7 J11 J15 J19 J23 J27 J31 J35 = SparkFun-Connectors; PROD_ID: CONN-13694
J5 J8 J12 J16 J20 J24 J28 J32 J36 = USB-C
JP2 JP12 JP24 JP31 JP41 JP48 JP58 JP65 JP75 JP82 JP92 JP99 JP109 JP116 JP126 JP133 JP143 JP150 = SparkFun-Connectors; PROD_ID: CONN-11219
JP3-JP6 JP8 JP9 JP16 JP17 JP20-JP23 JP35-JP40 JP52-JP57 JP69-JP74 JP86-JP91 JP103-JP108 JP120-JP125 JP137-JP142 = SparkFun
JP10 JP11 JP15 JP25 JP28 JP32 JP42 JP45 JP49 JP59 JP62 JP66 JP76 JP79 JP83 JP93 JP96 JP100 JP110 JP113 JP117 JP127 JP130 JP134 JP144 JP147 JP151 = SparkFun-Connectors; PROD_ID: CONN-10204
JP13 JP18 JP29 JP33 JP46 JP50 JP63 JP67 JP80 JP84 JP97 JP101 JP114 JP118 JP131 JP135 JP148 JP152 = SparkFun-Connectors; PROD_ID: CONN-10203
JP19 JP34 JP51 JP68 JP85 JP102 JP119 JP136 JP153 = SparkFun-Connectors; PROD_ID: CONN-08438
LED1 LED4 LED6 LED8 LED10 LED12 LED14 LED16 LED18 = SparkFun-LED; PROD_ID: DIO-09911
Q1 Q4 Q7 Q10 Q13 Q16 Q19 Q22 Q25 = SparkFun-DiscreteSemi; PROD_ID: TRANS-08285
Q2 Q3 Q5 Q6 Q8 Q9 Q11 Q12 Q14 Q15 Q17 Q18 Q20 Q21 Q23 Q24 Q26 Q27 = SparkFun-DiscreteSemi; PROD_ID: TRANS-11151
R1 R9 R12 R16 R23 R24 R29 R37 R38 R43 R51 R52 R57 R65 R66 R71 R79 R80 R85 R93 R94 R99 R107 R108 R113 R121 R122 = SparkFun-Resistors; PROD_ID: RES-07857
R2-R4 R10 R17 R18 R30-R32 R44-R46 R58-R60 R72-R74 R86-R88 R100-R102 R114-R116 = SparkFun-Resistors; PROD_ID: RES-00824
R5 R6 R11 R13 R21 R22 R25 R26 R35 R36 R39 R40 R49 R50 R53 R54 R63 R64 R67 R68 R77 R78 R81 R82 R91 R92 R95 R96 R105 R106 R109 R110 R119 R120 R123 R124 = SparkFun-Resistors; PROD_ID: RES-08272
R7 R8 R27 R28 R41 R42 R55 R56 R69 R70 R83 R84 R97 R98 R111 R112 R125 R126 = SparkFun-Resistors; PROD_ID: RES-12083
R14 R19 R33 R47 R61 R75 R89 R103 R117 = SparkFun-Resistors; PROD_ID: RES-07850
R15 R20 R34 R48 R62 R76 R90 R104 R118 = SparkFun-Resistors; PROD_ID: RES-07849
S1 S3 S5 S7 S9 S11 S13 S15 S17 = SparkFun-Switches; PROD_ID: SWCH-14139
S2 S4 S6 S8 S10 S12 S14 S16 S18 = SparkFun-Switches; PROD_ID: SWCH-08179; SF_SKU: COM-00597
TP5 TP11 TP17 TP23 TP29 TP35 TP41 TP47 TP53 = SparkFun-Passives
U1 U4 U7 U10 U13 U16 U19 U22 U25 = SparkFun-IC-Microcontroller; PROD_ID: IC-09069
U2 U3 U8 U11 U14 U17 U20 U23 U26 = SparkFun-PowerIC; PROD_ID: VREG-12457
U5 U6 U9 U12 U15 U18 U21 U24 U27 = SparkFun-IC-Comms; PROD_ID: IC-14038
U$1 U$3 U$6 U$7 U$21 U$22 U$31 U$32 U$41 U$42 U$51 U$52 U$61 U$62 U$72 U$73 U$82 U$83 = blackboardlogo
U$2 U$10 U$17 U$18 U$27 U$28 U$37 U$38 U$47 U$48 U$57 U$58 U$67 U$69 U$78 U$79 U$88 U$89 = buzzard_labels (14)
U$4 U$8 U$23 U$33 U$43 U$53 U$63 U$74 U$84 = madeinusa
U$9 U$13 U$24 U$34 U$44 U$54 U$64 U$75 U$85 = Labels
U$11 U$12 U$14 U$15 U$19 U$25 U$26 U$29 U$35 U$36 U$39 U$45 U$46 U$49 U$55 U$56 U$59 U$65 U$66 U$68 U$70 U$76 U$77 U$80 U$86 U$87 U$90 = buzzard_labels (13)
Y1-Y9 = SparkFun-Clocks; PROD_ID: XTAL-08900